# Altium PCB PCB1.PcbDoc (part 6 of 15) (continued)
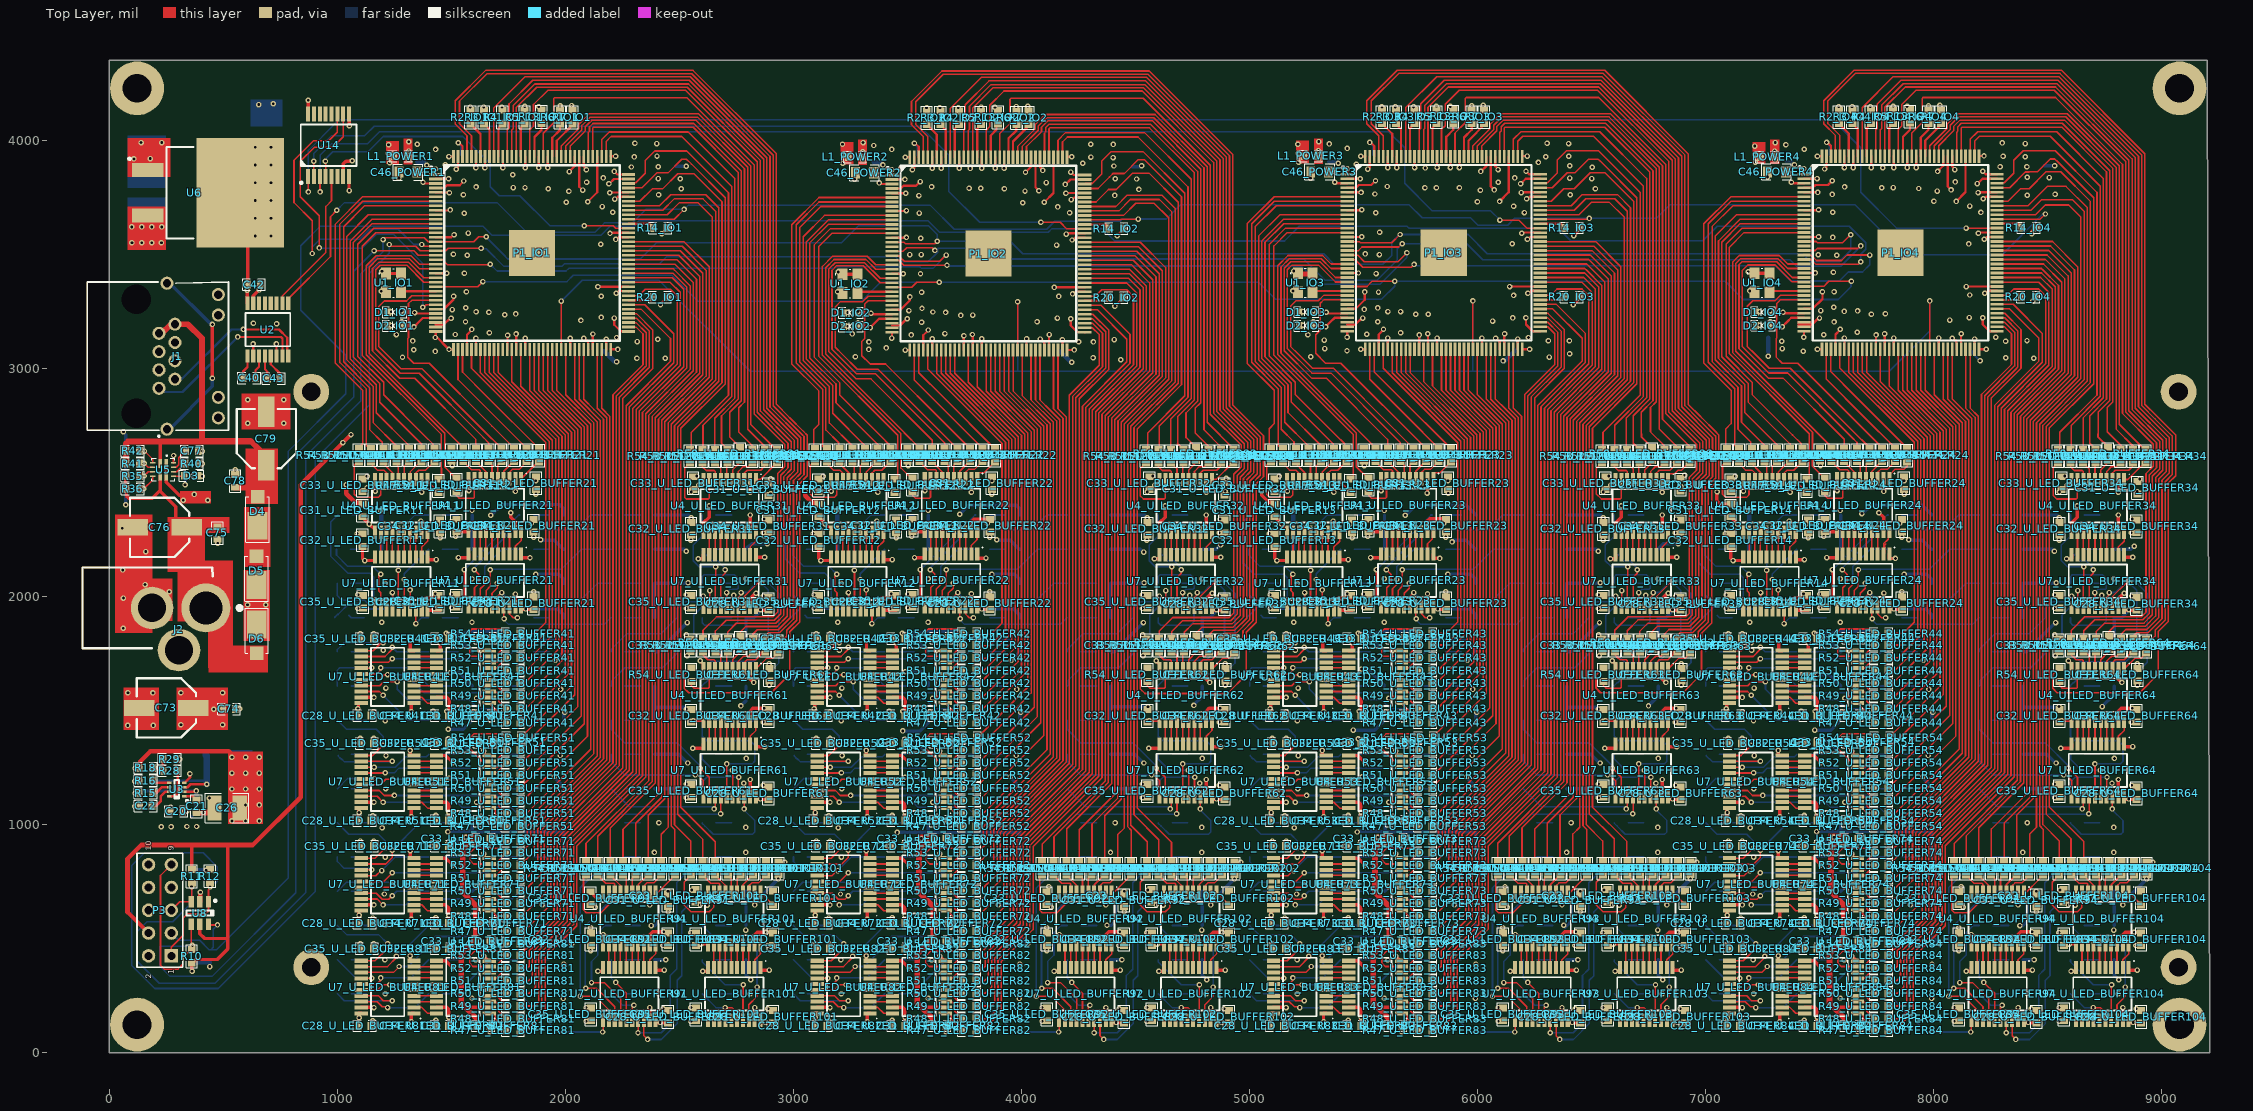
[diagram p0: Top Layer view]
## Nets (pads, with @x,y where several pads share a name; then routed paths per layer and width w, separated by ;. In a path a pad name is that pad's centre, name@x,y a point inside that pad or via, vN(x,y) a via of type N, cw(c..) or ccw(c..) an arc to the next point about the centre after c; other vN are vias at no path point) (continued)
GPIO_60_IO2: P1_IO2.81 R51_U_LED_BUFFER82.2 | length 3545.5
  Top Layer w7: R51_U_LED_BUFFER82.2@3800.63,314.94 3838.41,314.94 3855.22,331.75 3855.22,410.4 3855.22,425.48 3994.6,564.86 3994.6,926.28 4296.98,1228.65 4296.98,2821.95 4491.5,3016.47 4491.5,3314.56 4461.5,3344.56 4351.73,3344.56 4323.67,3316.5 P1_IO2.81@4277.95,3316.5
GPIO_60_IO3: P1_IO3.81 R51_U_LED_BUFFER83.2 | length 3547.7
  Top Layer w7: R51_U_LED_BUFFER83.2@5800.63,314.94 5838.41,314.94 5855.22,331.75 5855.22,433.9 5991.71,570.39 5991.71,577.53 5991.62,578.43 5991.62,929.85 6293.88,1232.1 6293.88,2825.4 6488.4,3019.92 6488.4,3318.01 6458.4,3348.01 6348.63,3348.01 6320.57,3319.95 P1_IO3.81@6274.85,3319.95
GPIO_60_IO4: P1_IO4.81 R51_U_LED_BUFFER84.2 | length 3547.7
  Top Layer w7: R51_U_LED_BUFFER84.2@7800.63,314.94 7838.41,314.94 7855.22,331.75 7855.22,439.77 7859.32,443.87 7863.42,447.97 7867.26,451.81 7867.26,452.34 7871.21,456.29 7871.21,456.58 7993.5,578.88 ; 7994.5,579.88 7994.5,929.88 8296.88,1232.25 8296.88,2825.55 8491.4,3020.07 8491.4,3318.16 8461.4,3348.16 8351.63,3348.16 8323.57,3320.1 P1_IO4.81@8277.85,3320.1
GPIO_61_IO1: P1_IO1.79 R52_U_LED_BUFFER81.2 | length 3332.1
  Top Layer w7: R52_U_LED_BUFFER81.2@1800.63,370.5 1833.97,370.5 1841.22,377.75 1841.22,446.84 1978.26,583.88 1978.26,589.85 1978.26,935.19 2280.63,1237.57 2280.63,2830.87 2475.15,3025.39 2475.15,3138.94 ; P1_IO1.79@2276.85,3279.73 2348.06,3279.73 2475.31,3152.49 2475.31,3138.94
GPIO_61_IO2: P1_IO2.79 R52_U_LED_BUFFER82.2 | length 3329.9
  Top Layer w7: R52_U_LED_BUFFER82.2@3800.63,370.5 3833.97,370.5 3841.22,377.75 3841.22,415.32 3841.22,431.28 3979.36,569.41 3979.36,932.59 4281.73,1234.97 4281.73,2828.27 4476.25,3022.79 4476.25,3136.34 ; P1_IO2.79@4277.95,3277.13 4349.16,3277.13 4476.41,3149.89 4476.41,3136.34
GPIO_61_IO3: P1_IO3.79 R52_U_LED_BUFFER83.2 | length 3332.1
  Top Layer w7: R52_U_LED_BUFFER83.2@5800.63,370.5 5833.97,370.5 5841.22,377.75 5841.22,444.52 5976.26,579.55 5976.26,936.04 6278.63,1238.42 6278.63,2831.72 6473.15,3026.24 6473.15,3139.79 ; P1_IO3.79@6274.85,3280.58 6346.06,3280.58 6473.31,3153.34 6473.31,3139.79
GPIO_61_IO4: P1_IO4.79 R52_U_LED_BUFFER84.2 | length 3332.1
  Top Layer w7: R52_U_LED_BUFFER84.2@7800.63,370.5 7833.97,370.5 7841.22,377.75 7841.22,446.84 7978.26,583.88 ; 7979.26,584.88 7979.26,590.85 7979.26,936.19 8281.63,1238.57 8281.63,2831.87 8476.15,3026.39 8476.15,3139.94 ; P1_IO4.79@8277.85,3280.73 8349.06,3280.73 8476.31,3153.49 8476.31,3139.94
GPIO_62_IO1: P1_IO1.78 R53_U_LED_BUFFER81.2 | length 3216.3
  Top Layer w7: R53_U_LED_BUFFER81.2@1800.63,426.05 1964.26,589.68 1964.26,940.99 2266.63,1243.37 2266.63,2836.67 2461.15,3031.19 2461.15,3131.03 2332.13,3260.05 P1_IO1.78@2276.85,3260.05
GPIO_62_IO2: P1_IO2.78 R53_U_LED_BUFFER82.2 | length 3220.8
  Top Layer w7: R53_U_LED_BUFFER82.2@3800.63,426.05 3811.95,426.05 3965.36,579.46 3965.36,938.39 4267.73,1240.77 4267.73,2834.07 4462.25,3028.59 4462.25,3128.43 4333.23,3257.45 P1_IO2.78@4277.95,3257.45
GPIO_62_IO3: P1_IO3.78 R53_U_LED_BUFFER83.2 | length 3216.3
  Top Layer w7: R53_U_LED_BUFFER83.2@5798.63,426.9 5962.26,590.53 5962.26,941.84 6264.63,1244.22 6264.63,2837.52 6459.15,3032.03 6459.15,3131.88 6330.13,3260.9 P1_IO3.78@6274.85,3260.9
GPIO_62_IO4: P1_IO4.78 R53_U_LED_BUFFER84.2 | length 3216.3
  Top Layer w7: R53_U_LED_BUFFER84.2@7801.63,427.05 7965.26,590.68 7965.26,941.99 8267.63,1244.37 8267.63,2837.67 8462.15,3032.19 8462.15,3132.03 8333.13,3261.05 P1_IO4.78@8277.85,3261.05
GPIO_63_IO1: P1_IO1.77 R54_U_LED_BUFFER81.2 | length 3086
  Top Layer w7: R54_U_LED_BUFFER81.2@1800.63,477.16 1830.63,477.16 1950.26,596.79 1950.26,946.79 2252.63,1249.16 2252.63,2868.97 2378.56,2994.9 2382.63,2998.97 2382.63,3169.34 2311.61,3240.36 P1_IO1.77@2276.85,3240.36
GPIO_63_IO2: P1_IO2.77 R54_U_LED_BUFFER82.2 | length 3084.7
  Top Layer w7: R54_U_LED_BUFFER82.2@3800.63,477.16 3832.09,477.16 3951.36,596.43 3951.36,944.19 4253.73,1246.56 4253.73,2866.37 4379.66,2992.3 4383.73,2996.37 4383.73,3166.74 4312.71,3237.76 P1_IO2.77@4277.95,3237.76
GPIO_63_IO3: P1_IO3.77 R54_U_LED_BUFFER83.2 | length 3077.4
  Top Layer w7: R54_U_LED_BUFFER83.2@5800.63,477.16 5815.84,477.16 5948.26,609.58 5948.26,947.64 6250.63,1250.01 6250.63,2869.82 6376.56,2995.75 6380.63,2999.82 6380.63,3170.19 6309.61,3241.21 P1_IO3.77@6274.85,3241.21
GPIO_63_IO4: P1_IO4.77 R54_U_LED_BUFFER84.2 | length 3086
  Top Layer w7: R54_U_LED_BUFFER84.2@7800.63,477.16 7830.63,477.16 ; 7831.63,478.16 7951.26,597.79 7951.26,947.79 8253.63,1250.16 8253.63,2869.97 8379.56,2995.9 8383.63,2999.97 8383.63,3170.34 8312.61,3241.36 P1_IO4.77@8277.85,3241.36
GPIO_64_IO1: P1_IO1.100 R47_U_LED_BUFFER91.2 | length 3364.1
  Top Layer w7: P1_IO1.100@2276.85,3693.12 2426.58,3693.12 2476.73,3743.26 2604.13,3743.26 2659.05,3688.34 2659.05,2949.21 2464.53,2754.7 2464.53,993.26 2480.63,977.16 R47_U_LED_BUFFER91.2@2480.63,837.16
GPIO_64_IO2: P1_IO2.100 R47_U_LED_BUFFER92.2 | length 3364.1
  Top Layer w7: P1_IO2.100@4277.95,3690.52 4427.68,3690.52 4477.83,3740.66 4605.23,3740.66 4660.15,3685.74 4660.15,2946.61 4465.63,2752.1 4465.63,990.66 4481.73,974.56 R47_U_LED_BUFFER92.2@4481.73,834.56
GPIO_64_IO3: P1_IO3.100 R47_U_LED_BUFFER93.2 | length 3364.1
  Top Layer w7: P1_IO3.100@6274.85,3693.97 6424.58,3693.97 6474.73,3744.11 6602.13,3744.11 6657.05,3689.19 6657.05,2950.06 6462.53,2755.54 6462.53,994.11 6478.63,978.01 R47_U_LED_BUFFER93.2@6478.63,838.01
GPIO_64_IO4: P1_IO4.100 R47_U_LED_BUFFER94.2 | length 3359.7
  Top Layer w7: P1_IO4.100@8277.85,3694.12 8427.58,3694.12 8472.43,3738.96 8610.43,3738.96 8660.05,3689.34 8660.05,2950.21 8465.53,2755.7 8465.53,994.26 8481.63,978.16 R47_U_LED_BUFFER94.2@8481.63,838.16
GPIO_65_IO1: P1_IO1.99 R48_U_LED_BUFFER91.2 | length 3336.1
  Top Layer w7: P1_IO1.99@2276.85,3673.43 2446.9,3673.43 2500.63,3727.16 2580.63,3727.16 2645.05,3662.75 2645.05,2955.01 2450.53,2760.49 2450.53,987.07 2420.63,957.16 2420.63,838.28 R48_U_LED_BUFFER91.2@2419.52,837.16
GPIO_65_IO2: P1_IO2.99 R48_U_LED_BUFFER92.2 | length 3336.1
  Top Layer w7: P1_IO2.99@4277.95,3670.83 4448,3670.83 4501.73,3724.56 4581.73,3724.56 4646.15,3660.15 4646.15,2952.41 4451.63,2757.89 4451.63,984.47 4421.73,954.56 4421.73,835.68 R48_U_LED_BUFFER92.2@4420.62,834.56
GPIO_65_IO3: P1_IO3.99 R48_U_LED_BUFFER93.2 | length 3336.1
  Top Layer w7: P1_IO3.99@6274.85,3674.28 6444.9,3674.28 6498.63,3728.01 6578.63,3728.01 6643.05,3663.59 6643.05,2955.86 6448.53,2761.34 6448.53,987.92 6418.63,958.01 6418.63,839.13 R48_U_LED_BUFFER93.2@6417.52,838.01
GPIO_65_IO4: P1_IO4.99 R48_U_LED_BUFFER94.2 | length 3326.6
  Top Layer w7: P1_IO4.99@8277.85,3674.43 8447.9,3674.43 8490.16,3716.69 8593.1,3716.69 8646.05,3663.75 8646.05,2956.01 8451.53,2761.49 8451.53,988.07 8421.63,958.16 8421.63,839.28 R48_U_LED_BUFFER94.2@8420.52,838.16
GPIO_66_IO1: P1_IO1.93 R49_U_LED_BUFFER91.2 | length 3118
  Top Layer w7: P1_IO1.93@2276.85,3555.32 2520.54,3555.32 2630.54,3445.32 ; R49_U_LED_BUFFER91.2@2363.96,837.16 2363.96,1040.5 2436.53,1113.07 2436.53,2766.29 2631.05,2960.81 2631.05,3445.32
GPIO_66_IO2: P1_IO2.93 R49_U_LED_BUFFER92.2 | length 3118
  Top Layer w7: P1_IO2.93@4277.95,3552.72 4521.64,3552.72 4631.64,3442.72 ; R49_U_LED_BUFFER92.2@4365.06,834.56 4365.06,1037.9 4437.63,1110.47 4437.63,2763.69 4632.15,2958.21 4632.15,3442.72
GPIO_66_IO3: P1_IO3.93 R49_U_LED_BUFFER93.2 | length 3118
  Top Layer w7: P1_IO3.93@6274.85,3556.17 6518.54,3556.17 6628.54,3446.17 ; R49_U_LED_BUFFER93.2@6361.96,838.01 6361.96,1041.35 6434.53,1113.92 6434.53,2767.14 6629.05,2961.66 6629.05,3446.17
GPIO_66_IO4: P1_IO4.93 R49_U_LED_BUFFER94.2 | length 3118
  Top Layer w7: P1_IO4.93@8277.85,3556.32 8521.54,3556.32 8631.54,3446.32 ; R49_U_LED_BUFFER94.2@8364.96,838.16 8364.96,1041.5 8437.53,1114.07 8437.53,2767.29 8632.05,2961.81 8632.05,3446.32
GPIO_67_IO1: P1_IO1.92 R50_U_LED_BUFFER91.2 | length 3105.1
  Top Layer w7: P1_IO1.92@2276.85,3535.64 2512.16,3535.64 2617.05,3430.75 2617.05,2966.61 2422.53,2772.09 2422.53,1119.07 2308.41,1004.94 R50_U_LED_BUFFER91.2@2308.41,837.16
GPIO_67_IO2: P1_IO2.92 R50_U_LED_BUFFER92.2 | length 3105.1
  Top Layer w7: P1_IO2.92@4277.95,3533.04 4513.26,3533.04 4618.15,3428.15 4618.15,2964.01 4423.63,2769.49 4423.63,1116.47 4309.51,1002.34 R50_U_LED_BUFFER92.2@4309.51,834.56
GPIO_67_IO3: P1_IO3.92 R50_U_LED_BUFFER93.2 | length 3105.1
  Top Layer w7: P1_IO3.92@6274.85,3536.49 6510.16,3536.49 6615.05,3431.6 6615.05,2967.46 6420.53,2772.94 6420.53,1119.92 6306.41,1005.79 R50_U_LED_BUFFER93.2@6306.41,838.01
GPIO_67_IO4: P1_IO4.92 R50_U_LED_BUFFER94.2 | length 3105.1
  Top Layer w7: P1_IO4.92@8277.85,3536.64 8513.16,3536.64 8618.05,3431.75 8618.05,2967.61 8423.53,2773.09 8423.53,1120.07 8309.41,1005.94 R50_U_LED_BUFFER94.2@8309.41,838.16
GPIO_68_IO1: P1_IO1.91 R51_U_LED_BUFFER91.2 | length 3092.2
  Top Layer w7: R51_U_LED_BUFFER91.2@2252.85,837.16 2252.85,979.39 2408.53,1135.07 2408.53,2777.89 2603.05,2972.41 2603.05,3417.16 2504.26,3515.95 P1_IO1.91@2276.85,3515.95
GPIO_68_IO2: P1_IO2.91 R51_U_LED_BUFFER92.2 | length 3092.2
  Top Layer w7: R51_U_LED_BUFFER92.2@4253.95,834.56 4253.95,976.79 4409.63,1132.47 4409.63,2775.29 4604.15,2969.81 4604.15,3414.56 4505.36,3513.35 P1_IO2.91@4277.95,3513.35
GPIO_68_IO3: P1_IO3.91 R51_U_LED_BUFFER93.2 | length 3092.2
  Top Layer w7: R51_U_LED_BUFFER93.2@6250.85,838.01 6250.85,980.24 6406.53,1135.92 6406.53,2778.74 6601.05,2973.26 6601.05,3418.01 6502.26,3516.8 P1_IO3.91@6274.85,3516.8
GPIO_68_IO4: P1_IO4.91 R51_U_LED_BUFFER94.2 | length 3092.2
  Top Layer w7: R51_U_LED_BUFFER94.2@8253.85,838.16 8253.85,980.39 8409.53,1136.07 8409.53,2778.89 8604.05,2973.41 8604.05,3418.16 8505.26,3516.95 P1_IO4.91@8277.85,3516.95
GPIO_69_IO1: P1_IO1.90 R52_U_LED_BUFFER91.2 | length 3079.4
  Top Layer w7: R52_U_LED_BUFFER91.2@2197.3,837.16 2197.3,984.23 2394.46,1181.39 2394.46,2783.72 2588.97,2978.24 2588.97,3404.44 ; P1_IO1.90@2276.85,3496.27 2496.91,3496.27 2588.74,3404.44
GPIO_69_IO2: P1_IO2.90 R52_U_LED_BUFFER92.2 | length 3079.4
  Top Layer w7: R52_U_LED_BUFFER92.2@4198.4,834.56 4198.4,981.63 4395.56,1178.79 4395.56,2781.12 4590.07,2975.64 4590.07,3401.84 ; P1_IO2.90@4277.95,3493.67 4498.01,3493.67 4589.84,3401.84
GPIO_69_IO3: P1_IO3.90 R52_U_LED_BUFFER93.2 | length 3079.4
  Top Layer w7: R52_U_LED_BUFFER93.2@6195.3,838.01 6195.3,985.08 6392.46,1182.24 6392.46,2784.57 6586.97,2979.09 6586.97,3405.29 ; P1_IO3.90@6274.85,3497.12 6494.91,3497.12 6586.74,3405.29
GPIO_69_IO4: P1_IO4.90 R52_U_LED_BUFFER94.2 | length 3079.4
  Top Layer w7: R52_U_LED_BUFFER94.2@8198.3,838.16 8198.3,985.23 8395.46,1182.39 8395.46,2784.72 8589.97,2979.24 8589.97,3405.44 ; P1_IO4.90@8277.85,3497.27 8497.91,3497.27 8589.74,3405.44
GPIO_70_IO1: P1_IO1.89 R53_U_LED_BUFFER91.2 | length 3067
  Top Layer w7: R53_U_LED_BUFFER91.2@2141.74,837.16 2141.74,948.48 2380.46,1187.19 2380.46,2789.52 2574.97,2984.04 2574.97,3391.3 2489.7,3476.58 P1_IO1.89@2276.85,3476.58
GPIO_70_IO2: P1_IO2.89 R53_U_LED_BUFFER92.2 | length 3067
  Top Layer w7: R53_U_LED_BUFFER92.2@4142.84,834.56 4142.84,945.88 4381.56,1184.59 4381.56,2786.92 4576.07,2981.44 4576.07,3388.7 4490.8,3473.98 P1_IO2.89@4277.95,3473.98
GPIO_70_IO3: P1_IO3.89 R53_U_LED_BUFFER93.2 | length 3067
  Top Layer w7: R53_U_LED_BUFFER93.2@6139.74,838.01 6139.74,949.33 6378.46,1188.04 6378.46,2790.37 6572.97,2984.89 6572.97,3392.15 6487.7,3477.43 P1_IO3.89@6274.85,3477.43
GPIO_70_IO4: P1_IO4.89 R53_U_LED_BUFFER94.2 | length 3067
  Top Layer w7: R53_U_LED_BUFFER94.2@8142.74,838.16 8142.74,949.48 8381.46,1188.19 8381.46,2790.52 8575.97,2985.04 8575.97,3392.3 8490.7,3477.58 P1_IO4.89@8277.85,3477.58
GPIO_71_IO1: P1_IO1.88 R54_U_LED_BUFFER91.2 | length 3052
  Top Layer w7: R54_U_LED_BUFFER91.2@2090.63,837.16 2090.63,917.16 2366.46,1192.99 2366.46,2795.32 2560.97,2989.84 2560.97,3377.16 2481.24,3456.9 P1_IO1.88@2276.85,3456.9
GPIO_71_IO2: P1_IO2.88 R54_U_LED_BUFFER92.2 | length 3052
  Top Layer w7: R54_U_LED_BUFFER92.2@4091.73,834.56 4091.73,914.56 4367.56,1190.39 4367.56,2792.72 4562.07,2987.24 4562.07,3374.56 4482.34,3454.3 P1_IO2.88@4277.95,3454.3
GPIO_71_IO3: P1_IO3.88 R54_U_LED_BUFFER93.2 | length 3052
  Top Layer w7: R54_U_LED_BUFFER93.2@6088.63,838.01 6088.63,918.01 6364.46,1193.84 6364.46,2796.17 6558.97,2990.69 6558.97,3378.01 6479.24,3457.75 P1_IO3.88@6274.85,3457.75
GPIO_71_IO4: P1_IO4.88 R54_U_LED_BUFFER94.2 | length 3052
  Top Layer w7: R54_U_LED_BUFFER94.2@8091.63,838.16 8091.63,918.16 8367.46,1193.99 8367.46,2796.32 8561.97,2990.84 8561.97,3378.16 8482.24,3457.9 P1_IO4.88@8277.85,3457.9
GPIO_72_IO1: P1_IO1.105 R52_U_LED_BUFFER101.2 | length 3600.3
  Top Layer w7: P1_IO1.105@2276.85,3791.54 2335.01,3791.54 2385.03,3841.56 2385.03,3841.89 2398.21,3855.07 2398.53,3855.07 2400.63,3857.16 2450.63,3857.16 2510.63,3917.16 2530.63,3917.16 2538.59,3909.21 2539.74,3909.21 2552.92,3896.03 2701.05,3747.9 2701.05,2931.81 2506.53,2737.3 2506.53,1075.26 2657.3,924.5 R52_U_LED_BUFFER101.2@2657.3,837.16
GPIO_72_IO2: P1_IO2.105 R52_U_LED_BUFFER102.2 | length 3604.3
  Top Layer w7: P1_IO2.105@4277.95,3788.94 4336.11,3788.94 4386.13,3838.96 4386.13,3839.29 4399.31,3852.47 4399.63,3852.47 4401.73,3854.56 4451.73,3854.56 4511.73,3914.56 4539.74,3914.56 4702.15,3752.15 4702.15,2929.21 4507.63,2734.7 4507.63,1072.66 4658.4,921.9 R52_U_LED_BUFFER102.2@4658.4,834.56
GPIO_72_IO3: P1_IO3.105 R52_U_LED_BUFFER103.2 | length 3600.1
  Top Layer w7: P1_IO3.105@6274.85,3792.39 6327.6,3792.39 6393.22,3858.01 6427.5,3858.01 6487.5,3918.01 6528.63,3918.01 6536.59,3910.06 6537.74,3910.06 6550.92,3896.88 6699.05,3748.75 6699.05,2932.66 6504.53,2738.15 6504.53,1076.11 6655.3,925.35 R52_U_LED_BUFFER103.2@6655.3,838.01
GPIO_72_IO4: P1_IO4.105 R52_U_LED_BUFFER104.2 | length 3600.1
  Top Layer w7: P1_IO4.105@8277.85,3792.54 8333.69,3792.54 8402.51,3861.37 8418.75,3861.37 8418.96,3861.57 8455.04,3861.57 8511.63,3918.16 8531.63,3918.16 8539.59,3910.21 8540.74,3910.21 8553.92,3897.03 8702.05,3748.9 8702.05,2932.81 8507.53,2738.3 8507.53,1076.26 8658.3,925.5 R52_U_LED_BUFFER104.2@8658.3,838.16
GPIO_73_IO1: P1_IO1.102 R53_U_LED_BUFFER101.2 | length 3531.2
  Top Layer w7: P1_IO1.102@2276.85,3732.49 2325.95,3732.49 2380.63,3787.16 2426.35,3787.16 2493.15,3853.97 2513.65,3853.97 2564.23,3853.97 2687.05,3731.15 2687.05,2937.61 2492.53,2743.1 2492.53,1203.08 2492.53,1045.26 2601.74,936.05 R53_U_LED_BUFFER101.2@2601.74,837.16
GPIO_73_IO2: P1_IO2.102 R53_U_LED_BUFFER102.2 | length 3535.6
  Top Layer w7: P1_IO2.102@4277.95,3729.89 4327.05,3729.89 4381.73,3784.56 4416.13,3784.56 4488.25,3856.68 4560.01,3856.68 4688.15,3728.55 4688.15,2935.01 4493.63,2740.5 4493.63,1200.48 4493.63,1042.66 4602.84,933.45 R53_U_LED_BUFFER102.2@4602.84,834.56
GPIO_73_IO3: P1_IO3.102 R53_U_LED_BUFFER103.2 | length 3533.6
  Top Layer w7: P1_IO3.102@6274.85,3733.34 6323.95,3733.34 6378.63,3788.01 6424.35,3788.01 6494.1,3857.77 6559.28,3857.77 6685.05,3732 6685.05,2938.46 6490.53,2743.95 6490.53,1203.93 6490.53,1046.11 6599.74,936.9 R53_U_LED_BUFFER103.2@6599.74,838.01
GPIO_73_IO4: P1_IO4.102 R53_U_LED_BUFFER104.2 | length 3537.3
  Top Layer w7: P1_IO4.102@8277.85,3733.49 8326.95,3733.49 8381.63,3788.16 8419.25,3788.16 8493.49,3862.4 8557.79,3862.4 8688.05,3732.15 8688.05,2938.61 8493.53,2744.1 8493.53,1204.08 8493.53,1046.26 8602.74,937.05 R53_U_LED_BUFFER104.2@8602.74,838.16
GPIO_74_IO1: P1_IO1.101 R54_U_LED_BUFFER101.2 | length 3417.6
  Top Layer w7: P1_IO1.101@2276.85,3712.8 2413.22,3712.8 2461.94,3761.52 2615.73,3761.52 2673.05,3704.2 2673.05,2943.41 2478.53,2748.9 2478.53,1203.08 2478.53,999.06 2550.63,926.96 R54_U_LED_BUFFER101.2@2550.63,837.16
GPIO_74_IO2: P1_IO2.101 R54_U_LED_BUFFER102.2 | length 3417.6
  Top Layer w7: P1_IO2.101@4277.95,3710.2 4414.32,3710.2 4463.04,3758.92 4616.83,3758.92 4674.15,3701.6 4674.15,2940.81 4479.63,2746.3 4479.63,1200.48 4479.63,996.46 4551.73,924.36 R54_U_LED_BUFFER102.2@4551.73,834.56
GPIO_74_IO3: P1_IO3.101 R54_U_LED_BUFFER103.2 | length 3417.6
  Top Layer w7: P1_IO3.101@6274.85,3713.65 6411.22,3713.65 6459.94,3762.37 6613.73,3762.37 6671.05,3705.05 6671.05,2944.26 6476.53,2749.75 6476.53,1203.93 6476.53,999.91 6548.63,927.81 R54_U_LED_BUFFER103.2@6548.63,838.01
GPIO_74_IO4: P1_IO4.101 R54_U_LED_BUFFER104.2 | length 3446.9
  Top Layer w7: P1_IO4.101@8277.85,3713.8 8414.22,3713.8 8498.36,3797.94 8581.31,3797.94 8674.05,3705.2 8674.05,2944.41 8479.53,2749.9 8479.53,1204.08 8479.53,1000.06 8551.63,927.96 R54_U_LED_BUFFER104.2@8551.63,838.16
ID0_IO1: P1_IO1.112 R24.1 | length 214.5
  Top Layer w10: v1(2098.63,3731.27) 2139.53,3772.17 P1_IO1.112@2139.53,3928.87
ID0_IO2: P1_IO2.112 R30.2 | length 214.5
  Top Layer w10: v2(4099.73,3728.67) 4140.63,3769.57 P1_IO2.112@4140.63,3926.27
ID0_IO3: P1_IO3.112 R32.1 | length 214.5
  Top Layer w10: v2(6096.63,3732.11) 6137.53,3773.02 P1_IO3.112@6137.53,3929.72
ID0_IO4: P1_IO4.112 R34.2 | length 214.5
  Top Layer w10: v2(8099.63,3732.27) 8140.53,3773.17 P1_IO4.112@8140.53,3929.87
ID1_IO1: P1_IO1.123 R23.1 | length 48.9
  Top Layer w10: v2(1923,3879.92) P1_IO1.123@1923,3928.87
ID1_IO2: P1_IO2.123 R25.1 | length 48.9
  Top Layer w10: v2(3924.1,3877.32) P1_IO2.123@3924.1,3926.27
ID1_IO3: P1_IO3.123 R31.2 | length 48.9
  Top Layer w10: v2(5921,3880.77) P1_IO3.123@5921,3929.72
ID1_IO4: P1_IO4.123 R33.2 | length 48.9
  Top Layer w10: v2(7924,3880.92) P1_IO4.123@7924,3929.87
IN1_U_LED_BUFFER101: R47_U_LED_BUFFER101.2
IN1_U_LED_BUFFER102: R47_U_LED_BUFFER102.2
IN1_U_LED_BUFFER103: R47_U_LED_BUFFER103.2
IN1_U_LED_BUFFER104: R47_U_LED_BUFFER104.2
IN2_U_LED_BUFFER101: R48_U_LED_BUFFER101.2
IN2_U_LED_BUFFER102: R48_U_LED_BUFFER102.2
IN2_U_LED_BUFFER103: R48_U_LED_BUFFER103.2
IN2_U_LED_BUFFER104: R48_U_LED_BUFFER104.2
IN3_U_LED_BUFFER101: R49_U_LED_BUFFER101.2
IN3_U_LED_BUFFER102: R49_U_LED_BUFFER102.2
IN3_U_LED_BUFFER103: R49_U_LED_BUFFER103.2
IN3_U_LED_BUFFER104: R49_U_LED_BUFFER104.2
IN4_U_LED_BUFFER101: R50_U_LED_BUFFER101.2
IN4_U_LED_BUFFER102: R50_U_LED_BUFFER102.2
IN4_U_LED_BUFFER103: R50_U_LED_BUFFER103.2
IN4_U_LED_BUFFER104: R50_U_LED_BUFFER104.2
IN5_U_LED_BUFFER101: R51_U_LED_BUFFER101.2
IN5_U_LED_BUFFER102: R51_U_LED_BUFFER102.2
IN5_U_LED_BUFFER103: R51_U_LED_BUFFER103.2
IN5_U_LED_BUFFER104: R51_U_LED_BUFFER104.2
L_OUT1_U_LED_BUFFER11: R9_U_LED_BUFFER11.2 U7_U_LED_BUFFER11.18 | length 127.3
  Top Layer w7: v2(1344.66,1881.19) U7_U_LED_BUFFER11.18@1344.66,1941.81
  Bottom Layer w7: v2(1344.66,1881.19) 1370.63,1907.16 R9_U_LED_BUFFER11.2@1400.63,1907.16
L_OUT1_U_LED_BUFFER12: R9_U_LED_BUFFER12.2 U7_U_LED_BUFFER12.18 | length 127.3
  Top Layer w7: v2(3344.66,1881.19) U7_U_LED_BUFFER12.18@3344.66,1941.81
  Bottom Layer w7: v2(3344.66,1881.19) 3370.63,1907.16 R9_U_LED_BUFFER12.2@3400.63,1907.16
L_OUT1_U_LED_BUFFER13: R9_U_LED_BUFFER13.2 U7_U_LED_BUFFER13.18 | length 127.3
  Top Layer w7: v2(5344.66,1881.19) U7_U_LED_BUFFER13.18@5344.66,1941.81
  Bottom Layer w7: v2(5344.66,1881.19) 5370.63,1907.16 R9_U_LED_BUFFER13.2@5400.63,1907.16
L_OUT1_U_LED_BUFFER14: R9_U_LED_BUFFER14.2 U7_U_LED_BUFFER14.18 | length 127.3
  Top Layer w7: v2(7344.66,1881.19) U7_U_LED_BUFFER14.18@7344.66,1941.81
  Bottom Layer w7: v2(7344.66,1881.19) 7370.63,1907.16 R9_U_LED_BUFFER14.2@7400.63,1907.16
L_OUT1_U_LED_BUFFER21: R9_U_LED_BUFFER21.2 U7_U_LED_BUFFER21.18 | length 73.5
  Top Layer w7: U7_U_LED_BUFFER21.18@1755.2,1954.83 1755.2,1922.59 1771.55,1906.25 v2(1789.73,1906.25)
L_OUT1_U_LED_BUFFER22: R9_U_LED_BUFFER22.2 U7_U_LED_BUFFER22.18 | length 73.5
  Top Layer w7: U7_U_LED_BUFFER22.18@3755.2,1954.83 3755.2,1922.59 3771.55,1906.25 v2(3789.73,1906.25)
L_OUT1_U_LED_BUFFER23: R9_U_LED_BUFFER23.2 U7_U_LED_BUFFER23.18 | length 73.5
  Top Layer w7: U7_U_LED_BUFFER23.18@5755.2,1954.83 5755.2,1922.59 5771.55,1906.25 v2(5789.73,1906.25)
L_OUT1_U_LED_BUFFER24: R9_U_LED_BUFFER24.2 U7_U_LED_BUFFER24.18 | length 73.5
  Top Layer w7: U7_U_LED_BUFFER24.18@7755.2,1954.83 7755.2,1922.59 7771.55,1906.25 v2(7789.73,1906.25)
L_OUT1_U_LED_BUFFER31: R9_U_LED_BUFFER31.2 U7_U_LED_BUFFER31.18 | length 772.5
  Top Layer w7: U7_U_LED_BUFFER31.18@2784.61,1951.5 2784.61,1999.32 2842.45,2057.16 v2(2860.63,2057.16)
  Bottom Layer w7: R9_U_LED_BUFFER31.2@2600.63,1757.16 2600.63,1754.66 2612.13,1743.16 2639.54,1715.76 2825.76,1715.76 2890.63,1780.63 2890.63,1992.27 2890.94,1992.58 2890.94,2011.22 2890.63,2011.52 2890.63,2027.16 v2(2860.63,2057.16)
L_OUT1_U_LED_BUFFER32: R9_U_LED_BUFFER32.2 U7_U_LED_BUFFER32.18 | length 757.3
  Top Layer w7: U7_U_LED_BUFFER32.18@4784.61,1951.5 4784.61,1999.32 4842.45,2057.16 v2(4860.63,2057.16)
  Bottom Layer w7: R9_U_LED_BUFFER32.2@4600.63,1757.16 4600.63,1754.66 4612.13,1743.16 4614.63,1743.16 4637.8,1720 4810,1720 4890.63,1800.63 4890.63,1992.27 4890.94,1992.58 4890.94,2011.22 4890.63,2011.52 4890.63,2027.16 v2(4860.63,2057.16)
L_OUT1_U_LED_BUFFER33: R9_U_LED_BUFFER33.2 U7_U_LED_BUFFER33.18 | length 759.7
  Top Layer w7: U7_U_LED_BUFFER33.18@6784.61,1951.5 6784.61,1999.32 6842.45,2057.16 v2(6860.63,2057.16)
  Bottom Layer w7: R9_U_LED_BUFFER33.2@6600.63,1757.16 6600.63,1754.66 6612.13,1743.16 6614.63,1743.16 6647.8,1710 6790,1710 6890.63,1810.63 6890.63,1992.27 6890.94,1992.58 6890.94,2011.22 6890.63,2011.52 6890.63,2027.16 v2(6860.63,2057.16)
L_OUT1_U_LED_BUFFER34: R9_U_LED_BUFFER34.2 U7_U_LED_BUFFER34.18 | length 786.5
  Top Layer w7: U7_U_LED_BUFFER34.18@8784.61,1951.5 8784.61,1999.32 8842.45,2057.16 v2(8860.63,2057.16)
  Bottom Layer w7: R9_U_LED_BUFFER34.2@8600.63,1757.16 8600.63,1754.66 8612.13,1743.16 8614.63,1743.16 8644.64,1713.16 8843.31,1713.16 8890.63,1760.48 8890.63,1867.16 8890.63,1992.27 8890.94,1992.58 8890.94,2011.22 8890.63,2011.52 8890.63,2027.16 v2(8860.63,2057.16)
L_OUT1_U_LED_BUFFER41: R9_U_LED_BUFFER41.2 U7_U_LED_BUFFER41.18 | length 347.9
  Top Layer w7: U7_U_LED_BUFFER41.18@1104.96,1583.19 1184.61,1583.19 v2(1200.63,1567.16)
  Bottom Layer w7: v2(1200.63,1567.16) 1310.63,1457.16 R9_U_LED_BUFFER41.2@1400.63,1457.16
L_OUT1_U_LED_BUFFER42: R9_U_LED_BUFFER42.2 U7_U_LED_BUFFER42.18 | length 347.9
  Top Layer w7: U7_U_LED_BUFFER42.18@3104.96,1583.19 3184.61,1583.19 v2(3200.63,1567.16)
  Bottom Layer w7: v2(3200.63,1567.16) 3310.63,1457.16 R9_U_LED_BUFFER42.2@3400.63,1457.16
L_OUT1_U_LED_BUFFER43: R9_U_LED_BUFFER43.2 U7_U_LED_BUFFER43.18 | length 347.9
  Top Layer w7: U7_U_LED_BUFFER43.18@5104.96,1583.19 5184.61,1583.19 v2(5200.63,1567.16)
  Bottom Layer w7: v2(5200.63,1567.16) 5310.63,1457.16 R9_U_LED_BUFFER43.2@5400.63,1457.16
L_OUT1_U_LED_BUFFER44: R9_U_LED_BUFFER44.2 U7_U_LED_BUFFER44.18 | length 347.9
  Top Layer w7: U7_U_LED_BUFFER44.18@7104.96,1583.19 7184.61,1583.19 v2(7200.63,1567.16)
  Bottom Layer w7: v2(7200.63,1567.16) 7310.63,1457.16 R9_U_LED_BUFFER44.2@7400.63,1457.16
L_OUT1_U_LED_BUFFER51: R9_U_LED_BUFFER51.2 U7_U_LED_BUFFER51.18 | length 761.3
  Top Layer w7: U7_U_LED_BUFFER51.18@1104.96,1123.19 1174.61,1123.19 v2(1200.63,1097.16)
  Bottom Layer w7: v2(1200.63,1097.16) 1252.45,1097.16 1525.42,1097.16 1547.92,1074.66 1601.31,1074.66 1619.95,1074.66 1763.13,1074.66 1800.63,1037.16 R9_U_LED_BUFFER51.2@1800.63,1007.16
L_OUT1_U_LED_BUFFER52: R9_U_LED_BUFFER52.2 U7_U_LED_BUFFER52.18 | length 761.3
  Top Layer w7: U7_U_LED_BUFFER52.18@3104.96,1123.19 3174.61,1123.19 v2(3200.63,1097.16)
  Bottom Layer w7: v2(3200.63,1097.16) 3252.45,1097.16 3525.42,1097.16 3547.92,1074.66 3601.31,1074.66 3619.95,1074.66 3763.13,1074.66 3800.63,1037.16 R9_U_LED_BUFFER52.2@3800.63,1007.16
L_OUT1_U_LED_BUFFER53: R9_U_LED_BUFFER53.2 U7_U_LED_BUFFER53.18 | length 761.3
  Top Layer w7: U7_U_LED_BUFFER53.18@5104.96,1123.19 5174.61,1123.19 v2(5200.63,1097.16)
  Bottom Layer w7: v2(5200.63,1097.16) 5252.45,1097.16 5525.42,1097.16 5547.92,1074.66 5601.31,1074.66 5619.95,1074.66 5763.13,1074.66 5800.63,1037.16 R9_U_LED_BUFFER53.2@5800.63,1007.16
L_OUT1_U_LED_BUFFER54: R9_U_LED_BUFFER54.2 U7_U_LED_BUFFER54.18 | length 761.3
  Top Layer w7: U7_U_LED_BUFFER54.18@7104.96,1123.19 7174.61,1123.19 v2(7200.63,1097.16)
  Bottom Layer w7: v2(7200.63,1097.16) 7252.45,1097.16 7525.42,1097.16 7547.92,1074.66 7601.31,1074.66 7619.95,1074.66 7763.13,1074.66 7800.63,1037.16 R9_U_LED_BUFFER54.2@7800.63,1007.16
L_OUT1_U_LED_BUFFER61: R9_U_LED_BUFFER61.2 U7_U_LED_BUFFER61.18 | length 430.3
  Top Layer w7: v2(2783.87,1068.34) 2784.24,1068.71 2784.24,1121.12 U7_U_LED_BUFFER61.18@2784.61,1121.5
  Bottom Layer w7: R9_U_LED_BUFFER61.2@2600.63,1007.16 2600.63,1004.66 2612.13,993.16 2648.13,957.16 2820.63,957.16 2830.63,967.16 2830.63,1017.16 2783.87,1063.93 v2(2783.87,1068.34)
L_OUT1_U_LED_BUFFER62: R9_U_LED_BUFFER62.2 U7_U_LED_BUFFER62.18 | length 430.3
  Top Layer w7: v2(4783.87,1068.34) 4784.24,1068.71 4784.24,1121.12 U7_U_LED_BUFFER62.18@4784.61,1121.5
  Bottom Layer w7: R9_U_LED_BUFFER62.2@4600.63,1007.16 4600.63,1004.66 4612.13,993.16 4648.13,957.16 4820.63,957.16 4830.63,967.16 4830.63,1017.16 4783.87,1063.93 v2(4783.87,1068.34)
L_OUT1_U_LED_BUFFER63: R9_U_LED_BUFFER63.2 U7_U_LED_BUFFER63.18 | length 430.3
  Top Layer w7: v2(6783.87,1068.34) 6784.24,1068.71 6784.24,1121.12 U7_U_LED_BUFFER63.18@6784.61,1121.5
  Bottom Layer w7: R9_U_LED_BUFFER63.2@6600.63,1007.16 6600.63,1004.66 6612.13,993.16 6648.13,957.16 6820.63,957.16 6830.63,967.16 6830.63,1017.16 6783.87,1063.93 v2(6783.87,1068.34)
L_OUT1_U_LED_BUFFER64: R9_U_LED_BUFFER64.2 U7_U_LED_BUFFER64.18 | length 430.3
  Top Layer w7: v2(8783.87,1068.34) 8784.24,1068.71 8784.24,1121.12 U7_U_LED_BUFFER64.18@8784.61,1121.5
  Bottom Layer w7: R9_U_LED_BUFFER64.2@8600.63,1007.16 8600.63,1004.66 8612.13,993.16 8648.13,957.16 8820.63,957.16 8830.63,967.16 8830.63,1017.16 8783.87,1063.93 v2(8783.87,1068.34)
L_OUT1_U_LED_BUFFER71: R9_U_LED_BUFFER71.2 U7_U_LED_BUFFER71.18 | length 731.3
  Top Layer w7: U7_U_LED_BUFFER71.18@1104.96,673.19 1174.61,673.19 v2(1200.63,647.16)
  Bottom Layer w7: v2(1200.63,647.16) 1300.63,647.16 1326.57,673.11 1766.57,673.11 R9_U_LED_BUFFER71.2@1800.63,707.16
L_OUT1_U_LED_BUFFER72: R9_U_LED_BUFFER72.2 U7_U_LED_BUFFER72.18 | length 731.3
  Top Layer w7: U7_U_LED_BUFFER72.18@3104.96,673.19 3174.61,673.19 v2(3200.63,647.16)
  Bottom Layer w7: v2(3200.63,647.16) 3300.63,647.16 3326.57,673.11 3766.57,673.11 R9_U_LED_BUFFER72.2@3800.63,707.16
L_OUT1_U_LED_BUFFER73: R9_U_LED_BUFFER73.2 U7_U_LED_BUFFER73.18 | length 731.3
  Top Layer w7: U7_U_LED_BUFFER73.18@5104.96,673.19 5174.61,673.19 v2(5200.63,647.16)
  Bottom Layer w7: v2(5200.63,647.16) 5300.63,647.16 5326.57,673.11 5766.57,673.11 R9_U_LED_BUFFER73.2@5800.63,707.16